# Altium PCB PCB_VHDCI_breakout.PCBDOC (part 2 of 6)
Units mm, origin at the board's own origin, x right, y up, seen from the top; angles counter-clockwise.
Board outline 159.99 x 100 mm, 4 copper layers (TopLayer, Internal Plane 1, Internal Plane 2, BottomLayer), stack 1.622 mm thick; 81 components, 168 nets, 660 pads, 330 vias.
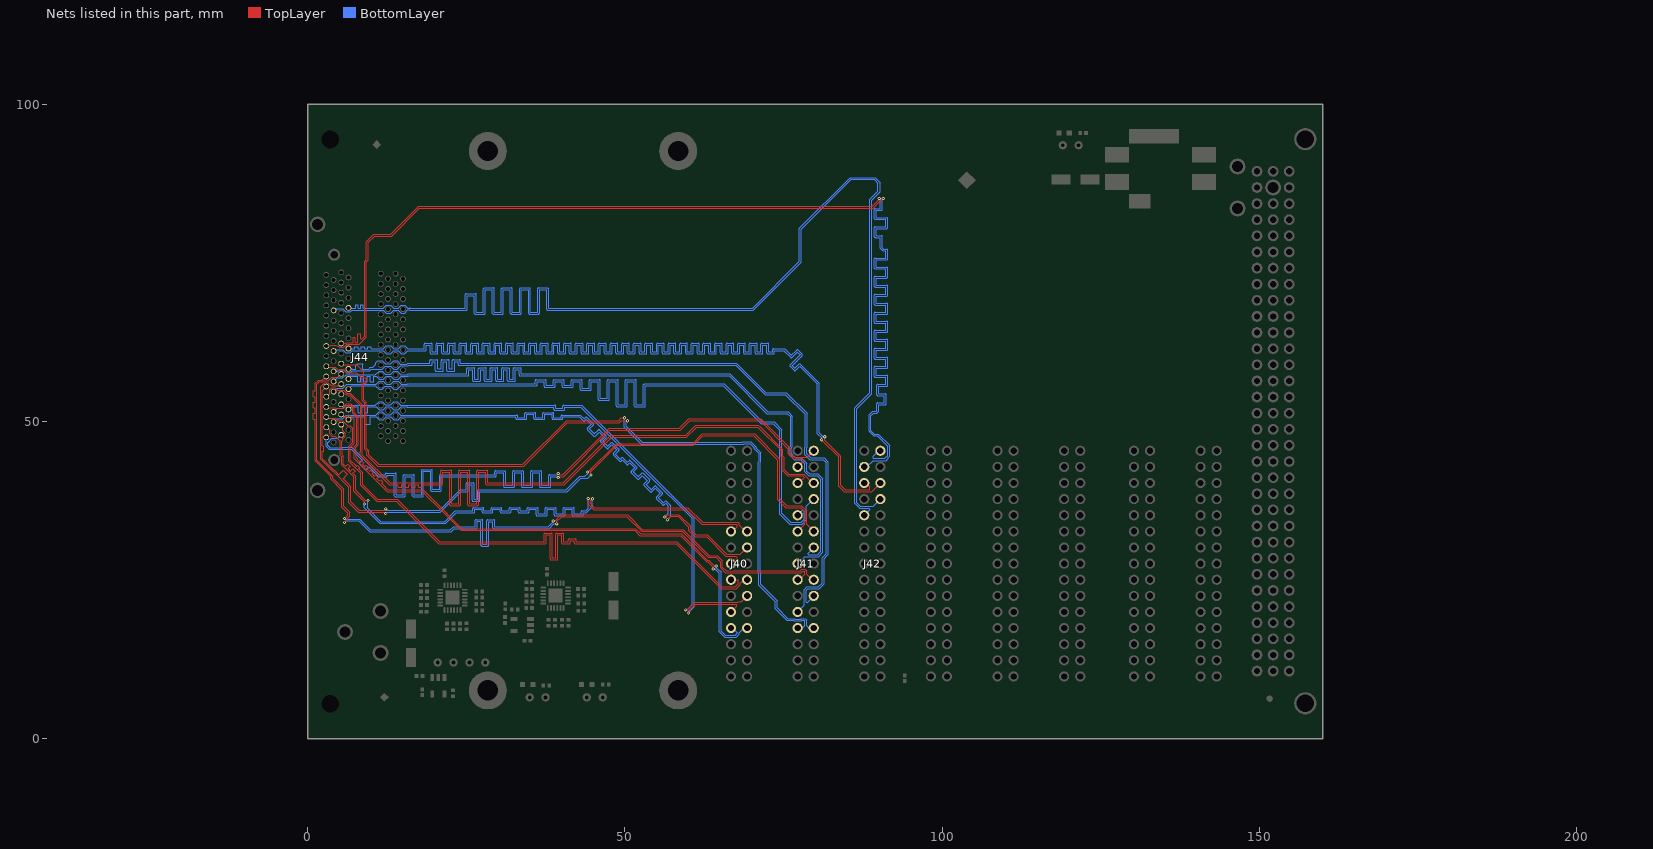
[diagram p4: the nets of this part, all layers, seen from the top]

## Via types
v1: diameter 0.5, hole 0.2, TopLayer to BottomLayer, tented both sides, 278 vias
v2: diameter 0.6, hole 0.3, TopLayer to BottomLayer, tented both sides, 52 vias

## Nets (pads, with @x,y where several pads share a name; then routed paths per layer and width w, separated by ;. In a path a pad name is that pad's centre, name@x,y a point inside that pad or via, vN(x,y) a via of type N, cw(c..) or ccw(c..) an arc to the next point about the centre after c; other vN are vias at no path point) (continued)
LVDS1_4_N: J40.12 J44.L38 | length 90.7
  TopLayer w0.127: J44.L38@2.945,49.071 3.454,48.561 3.454,48.006 3.829,47.63 4.385,47.63 5.144,46.872 5.144,45.645
  TopLayer w0.152: 5.144,45.645 5.144,44.583 5.348,44.379 5.348,43.121 7.245,41.224 7.245,39.001 8.941,37.306 v1(8.941,36.983) ; v1@44.73,37.699 44.705,37.674 44.705,37.624 44.5,37.419 44.5,37.1 45.195,36.405 59.895,36.405 62.234,34.066 67.834,34.066 68,33.9 68,33.764 68.005,33.759 68.005,33.632 68.981,32.656 J40.12@69.255,32.656
  TopLayer w0.254: v1@44.73,37.699 v1@44.853,37.822
  BottomLayer w0.152: v1(8.941,36.983) 8.941,36.359 11.4,33.9 21.731,33.9 23.431,35.6 26.211,35.6 ccw(c26.211,35.752) 26.364,35.752 26.364,36.108 27.481,36.108 27.481,35.752 ccw(c27.634,35.752) 27.634,35.6 29.056,35.6 ccw(c29.056,35.752) 29.208,35.752 29.208,36.108 30.326,36.108 30.326,35.752 ccw(c30.478,35.752) 30.478,35.6 31.901,35.6 ccw(c31.901,35.752) 32.053,35.752 32.053,36.108 33.171,36.108 33.171,35.752 ccw(c33.323,35.752) 33.323,35.6 34.746,35.6 ccw(c34.746,35.752) 34.898,35.752 34.898,36.108 36.016,36.108 36.016,35.244 ccw(c36.168,35.244) 36.168,35.092 37.59,35.092 ccw(c37.59,35.244) 37.743,35.244 37.743,36.108 38.86,36.108 38.86,35.244 ccw(c39.013,35.244) 39.013,35.092 40.435,35.092 ccw(c40.435,35.244) 40.588,35.244 40.588,36.108 41.705,36.108 41.705,35.244 ccw(c41.858,35.244) 41.858,35.092 43.28,35.092 ccw(c43.28,35.244) 43.432,35.244 43.432,35.6 43.931,35.6 44.853,36.522 v1@44.853,37.822
  other v1: 44.9,37.8
LVDS1_4_P: J40.11 J44.L4 | length 91.3
  TopLayer w0.127: J44.L4@5.295,49.471 5.563,49.203 5.563,48.508 5.935,48.136 5.935,47.606 5.563,47.234 5.563,47.037 5.398,46.872 5.398,45.645 5.462,45.582 5.462,44.696
  TopLayer w0.152: 5.462,44.696 5.653,44.505 5.653,43.247 5.8,43.1 5.989,42.911 6.339,43.262 6.716,42.885 6.366,42.534 6.743,42.157 7.094,42.508 7.471,42.131 7.12,41.78 7.4,41.5 7.55,41.35 7.55,39.127 9.177,37.5 v1(9.5,37.5) ; v1@44.26,37.788 44.26,37.61 44.195,37.545 44.195,36.974 44.26,36.909 45.069,36.1 59.769,36.1 62.108,33.761 67.571,33.761 67.7,33.632 67.7,33.368 66.989,32.656 J40.11@66.715,32.656
  TopLayer w0.254: v1@44.26,37.788 v1@44.349,37.699
  BottomLayer w0.152: v1@9.405,37.405 9.5,37.31 9.5,36.463 9.384,36.347 11.526,34.205 21.605,34.205 23.305,35.905 26.059,35.905 26.059,36.26 cw(c26.211,36.26) 26.211,36.413 27.634,36.413 cw(c27.634,36.26) 27.786,36.26 27.786,35.905 28.904,35.905 28.904,36.26 cw(c29.056,36.26) 29.056,36.413 30.478,36.413 cw(c30.478,36.26) 30.631,36.26 30.631,35.905 31.748,35.905 31.748,36.26 cw(c31.901,36.26) 31.901,36.413 33.323,36.413 cw(c33.323,36.26) 33.476,36.26 33.476,35.905 34.593,35.905 34.593,36.26 cw(c34.746,36.26) 34.746,36.413 36.168,36.413 cw(c36.168,36.26) 36.32,36.26 36.32,35.397 37.438,35.397 37.438,36.26 cw(c37.59,36.26) 37.59,36.413 39.013,36.413 cw(c39.013,36.26) 39.165,36.26 39.165,35.397 40.283,35.397 40.283,36.26 cw(c40.435,36.26) 40.435,36.413 41.858,36.413 cw(c41.858,36.26) 42.01,36.26 42.01,35.397 43.128,35.397 43.128,35.752 cw(c43.28,35.752) 43.28,35.905 43.805,35.905 44.226,36.326 v1(44.226,37.822)
LVDS1_5_N: J40.15 J44.L39 | length 92.7
  TopLayer w0.152: v1(56.717,34.471) 57.249,35.004 58.396,35.004 60.095,33.305 60.095,32.774 61.074,31.795 62.874,31.795 65.911,28.758 67.5,28.758 67.669,28.588 67.669,28.531 J40.15@66.715,27.576
  TopLayer w0.254: v1(56.717,34.471) v1@56.717,34.645
  BottomLayer w0.127: J44.L39@4.095,49.871 4.654,50.43 5.56,50.43 6.083,50.954 10.702,50.954 11.26,51.511 11.79,51.511 12.271,51.03 13.128,51.03 13.61,51.511 14.14,51.511 14.686,50.965 15.8,50.965
  BottomLayer w0.152: 15.8,50.991 32.977,50.991 cw(c32.977,50.838) 33.129,50.838 33.129,50.597 34.247,50.597 34.247,51.233 cw(c34.399,51.233) 34.399,51.385 35.822,51.385 cw(c35.822,51.233) 35.974,51.233 35.974,50.597 37.092,50.597 37.092,51.233 cw(c37.244,51.233) 37.244,51.385 38.666,51.385 cw(c38.666,51.233) 38.819,51.233 38.819,50.597 39.936,50.597 39.936,50.838 cw(c40.089,50.838) 40.089,50.991 42.94,50.991 43.555,50.376 43.806,50.628 cw(c43.914,50.52) 44.022,50.628 45.027,49.622 cw(c44.92,49.514) 45.072,49.514 cw(c44.92,49.514) 45.027,49.407 44.417,48.796 45.207,48.006 45.818,48.616 cw(c45.925,48.509) 46.033,48.616 47.039,47.611 cw(c46.931,47.503) 47.084,47.503 cw(c46.931,47.503) 47.039,47.395 46.49,46.846 47.281,46.056 47.829,46.605 cw(c47.937,46.497) 48.045,46.605 49.051,45.599 cw(c48.943,45.491) 49.095,45.491 cw(c48.943,45.491) 49.051,45.383 48.502,44.835 49.292,44.045 49.482,44.234 cw(c49.589,44.126) 49.697,44.234 50.395,43.536 50.647,43.787 cw(c50.754,43.68) 50.863,43.787 51.868,42.782 ; 51.867,42.782 cw(c51.76,42.674) 51.913,42.674 cw(c51.76,42.674) 51.868,42.566 51.319,42.017 52.11,41.227 52.658,41.776 cw(c52.766,41.668) 52.874,41.775 53.879,40.77 ; 53.879,40.77 cw(c53.772,40.662) 53.924,40.662 cw(c53.772,40.662) 53.879,40.554 53.329,40.004 54.119,39.214 54.67,39.764 cw(c54.777,39.656) 54.886,39.764 55.891,38.758 ; 55.891,38.759 cw(c55.783,38.651) 55.936,38.651 cw(c55.783,38.651) 55.891,38.543 55.28,37.932 56.071,37.142 56.322,37.393 cw(c56.43,37.286) 56.538,37.393 ; 56.538,37.393 57.084,36.847 57.249,36.682 57.249,35.004 v1(56.717,34.471)
LVDS1_5_P: J40.14 J44.L5 | length 92.3
  TopLayer w0.152: v1(56.274,34.914) 56.668,35.309 58.523,35.309 60.4,33.431 60.4,32.9 61.2,32.1 63,32.1 66.038,29.062 68.201,29.062 J40.14@69.255,30.116
  TopLayer w0.254: v1(56.274,34.914) v1@56.447,34.914
  BottomLayer w0.127: J44.L5@6.445,50.271 6.874,50.7 7.666,50.7 8.11,50.7 8.999,50.7 8.999,49.544 9.888,49.544 9.888,50.7 10.2,50.7 10.79,50.7 11.26,50.23 11.929,50.23 12.41,50.711 13.129,50.711 13.61,50.23 14.279,50.23 14.76,50.711 15.8,50.711
  BottomLayer w0.152: 15.8,50.686 32.824,50.686 32.824,50.444 ccw(c32.977,50.444) 32.977,50.292 34.399,50.292 ccw(c34.399,50.444) 34.552,50.444 34.552,51.08 35.669,51.08 35.669,50.444 ccw(c35.822,50.444) 35.822,50.292 37.244,50.292 ccw(c37.244,50.444) 37.396,50.444 37.396,51.08 38.514,51.08 38.514,50.444 ccw(c38.666,50.444) 38.666,50.292 40.089,50.292 ccw(c40.089,50.444) 40.241,50.444 40.241,50.686 42.814,50.686 43.447,50.053 ccw(c43.555,50.161) 43.662,50.053 43.914,50.305 44.704,49.514 44.093,48.904 ccw(c44.201,48.796) 44.093,48.688 45.099,47.682 ccw(c45.207,47.79) 45.315,47.682 45.925,48.293 46.716,47.503 46.167,46.954 ccw(c46.275,46.846) 46.167,46.739 47.173,45.733 ccw(c47.281,45.841) 47.388,45.733 47.937,46.281 48.727,45.491 48.179,44.943 ccw(c48.286,44.835) 48.179,44.727 49.184,43.721 ccw(c49.292,43.829) 49.4,43.721 49.589,43.911 50.287,43.213 ccw(c50.395,43.32) 50.503,43.213 50.754,43.464 51.545,42.674 50.996,42.125 ; 50.996,42.126 ccw(c51.104,42.017) 50.996,41.91 52.002,40.904 ccw(c52.11,41.012) 52.217,40.904 52.766,41.453 53.556,40.662 53.006,40.112 ccw(c53.113,40.004) 53.006,39.896 54.011,38.89 ; 54.011,38.891 ccw(c54.119,38.998) 54.227,38.89 54.777,39.441 55.568,38.651 54.957,38.04 ccw(c55.065,37.932) 54.958,37.824 ; 54.957,37.824 55.963,36.819 ccw(c56.071,36.926) 56.178,36.819 56.43,37.07 56.868,36.632 56.868,35.509 v1(56.274,34.914)
LVDS1_6_N: J40.18 J44.L40 | length 94.5
  TopLayer w0.127: J44.L40@2.945,50.671 3.104,50.511 4.36,50.511 4.76,50.111 5.56,50.111 6.36,49.311 6.71,49.311 7.087,48.934 7.087,46.661 6.478,46.052 6.478,45.671 6.452,45.645
  TopLayer w0.152: 6.452,45.645 6.452,44.774 6.452,43.724 8.38,41.796 8.38,39.889 10.874,37.395 14.005,37.395 20.705,30.695 30.208,30.695 37.457,30.695 ccw(c37.457,30.848) 37.61,30.848 37.61,32.089 38.219,32.089 38.219,28.308 ccw(c38.372,28.308) 38.372,28.155 39.286,28.155 ccw(c39.286,28.308) 39.438,28.308 39.438,32.089 40.048,32.089 40.048,30.848 ccw(c40.2,30.848) 40.2,30.695 41.257,30.695 ccw(c41.257,30.848) 41.41,30.848 41.41,31.174 42.019,31.174 42.019,30.848 ccw(c42.172,30.848) 42.172,30.695 51.352,30.695 58.074,30.695 62.274,26.495 65.174,23.595 67.526,23.595 68.2,24.269 68.2,24.495 68.741,25.036 J40.18@69.255,25.036
LVDS1_6_P: J40.17 J44.L6 | length 111.8
  TopLayer w0.127: J44.L6@5.295,51.071 5.717,50.649 5.917,50.649 6.179,50.911 6.71,50.911 7.341,50.28 7.341,46.556 6.732,45.946 6.732,45.671 6.757,45.645
  TopLayer w0.152: 6.757,45.645 6.757,44.774 6.757,43.85 6.946,43.661 7.323,43.284 7.7,42.907 7.836,43.043 8.213,42.666 8.077,42.53 8.454,42.153 8.685,41.922 8.685,41.656 8.685,41.5 8.685,40.015 10.1,38.6 11,37.7 14.131,37.7 20.831,31 ; 30.208,31 20.831,31 ; 51.352,31 42.324,31 ; J40.17@66.715,25.036 67.764,25.036 67.895,24.905 67.895,24.395 67.4,23.9 65.3,23.9 62.495,26.705 62.485,26.705 58.189,31 42.324,31 ; 20.831,31 37.305,31 37.305,32.241 cw(c37.457,32.241) 37.457,32.394 38.372,32.394 cw(c38.372,32.241) 38.524,32.241 38.524,28.46 39.134,28.46 39.134,32.241 cw(c39.286,32.241) 39.286,32.394 40.2,32.394 cw(c40.2,32.241) 40.353,32.241 40.353,31 41.105,31 41.105,31.327 cw(c41.257,31.327) 41.257,31.479 42.172,31.479 cw(c42.172,31.327) 42.324,31.327 42.324,31
LVDS1_7_N: J40.21 J44.L41 | length 93
  TopLayer w0.152: v1@59.968,20.015 61.141,21.188 67.648,21.188 67.648,20.889 J40.21@66.715,19.956
  BottomLayer w0.127: J44.L41@4.095,51.471 4.654,52.03 5.56,52.03 6.058,52.529 10.677,52.529 11.26,53.111 11.79,53.111 12.271,52.63 13.128,52.63 13.61,53.111 14.14,53.111 14.686,52.565 15.395,52.565 15.432,52.529 15.7,52.529 15.725,52.554
  BottomLayer w0.152: 15.725,52.554 38.966,52.554 cw(c38.966,52.402) 39.119,52.402 39.119,52.046 40.236,52.046 40.236,52.402 cw(c40.389,52.402) 40.389,52.554 43.177,52.554 55.178,40.553 56.399,39.332 58.195,37.536 59.631,36.1 60.905,34.826 60.905,20.951 ; 60.905,20.951 60.905,20.777 59.968,19.841 59.968,20.015 60.905,20.951
  other v1: 60,19.8
LVDS1_7_P: J40.20 J44.L7 | length 92.7
  TopLayer w0.152: 59.816,20.319 59.842,20.319 61.015,21.493 67.793,21.493 67.863,21.563 68.322,21.563 J40.20@69.255,22.496
  TopLayer w0.254: v1(59.525,20.284) 59.699,20.284 59.775,20.36
  BottomLayer w0.127: J44.L7@6.445,51.871 6.848,52.275 7.2,52.275 7.454,52.275 7.962,52.275 7.962,51.335 8.47,51.335 8.47,52.275 8.978,52.275 8.978,51.335 9.486,51.335 9.486,52.275 9.994,52.275 10.2,52.275 10.815,52.275 11.26,51.83 11.929,51.83 12.41,52.311 13.129,52.311 13.61,51.83 14.279,51.83 14.76,52.311 15.29,52.311 15.327,52.275 15.7,52.275 15.725,52.249
  BottomLayer w0.152: 15.725,52.249 38.814,52.249 38.814,51.894 ccw(c38.966,51.894) 38.966,51.741 40.389,51.741 ccw(c40.389,51.894) 40.541,51.894 40.541,52.249 43.051,52.249 54.873,40.427 59.416,35.884 60.6,34.7 60.6,21.078 59.806,20.284 v1(59.525,20.284)
LVDS1_8_N: J40.24 J44.L42 | length 93.1
  TopLayer w0.127: J44.L42@2.945,52.271 3.104,52.111 4.36,52.111 4.441,52.03 5.698,52.03 6.179,52.511 6.71,52.511 7.085,52.136 7.085,51.28 7.748,50.618 7.748,46.391 7.367,46.01 7.367,45.62 7.341,45.594
  TopLayer w0.152: 7.341,45.594 7.341,44.113 12.559,38.895 18.105,38.895 19.092,37.908 19.092,37.865 19.565,37.392 19.608,37.392 24.2,32.8 37.289,32.8 37.308,32.8 37.421,32.801 37.426,32.805 37.43,32.801 37.435,32.801 37.441,32.807 37.447,32.801 37.457,32.811 37.457,32.808 37.465,32.801 37.537,32.801 38.291,32.8 38.364,32.801 38.372,32.808 38.372,32.811 38.381,32.801 38.388,32.807 38.394,32.801 38.399,32.801 38.403,32.805 38.407,32.801 38.52,32.801 38.54,32.8 39.118,32.8 39.137,32.8 39.25,32.801 39.254,32.805 39.258,32.801 39.263,32.801 39.27,32.807 39.276,32.801 39.286,32.811 39.286,32.808 39.293,32.801 39.366,32.801 40.12,32.8 40.193,32.801 40.2,32.808 40.2,32.811 40.21,32.801 40.216,32.807 40.223,32.801 40.228,32.801 40.232,32.805 40.236,32.801 40.349,32.801 40.369,32.8 51.53,32.8 52.368,31.962 57.184,31.962 58.789,31.962 60.226,30.524 62.889,27.862 63.038,27.862 63.927,26.973 v1(63.927,26.727)
  BottomLayer w0.152: v1(63.927,26.727) 64.173,26.727 64.759,26.141 64.885,26.141 64.885,16.815 65.705,15.995 67.526,15.995 68.005,16.474 68.005,16.7 68.721,17.416 J40.24@69.255,17.416
LVDS1_8_P: J40.23 J44.L8 | length 92.5
  TopLayer w0.127: J44.L8@5.295,52.671 5.454,52.511 5.82,52.511 6.074,52.765 6.815,52.765 7.339,52.241 7.339,51.386 8.002,50.723 8.002,46.286 7.621,45.905 7.621,45.62 7.646,45.594
  TopLayer w0.152: 7.646,45.594 7.646,44.239 8.085,43.8 8.273,43.611 8.478,43.816 8.855,43.439 8.651,43.234 9.028,42.857 9.232,43.062 9.61,42.685 9.405,42.48 9.782,42.103 9.987,42.307 10.364,41.93 10.159,41.726 10.536,41.348 10.741,41.553 11.118,41.176 10.914,40.971 11.291,40.594 11.495,40.799 11.873,40.422 11.668,40.217 12.045,39.84 12.422,39.463 12.685,39.2 12.7,39.2 18.231,39.2 19.397,38.034 19.397,37.992 19.692,37.697 19.734,37.697 24.326,33.105 51.62,33.105 52.484,32.241 57.068,32.241 58.904,32.241 60.342,30.804 63.004,28.141 63.19,28.141 64.143,27.188 v1(64.388,27.188)
  BottomLayer w0.152: v1(64.388,27.188) 64.388,26.943 64.885,26.446 65.011,26.446 65.19,26.267 65.19,16.941 65.831,16.3 67.4,16.3 67.7,16.6 67.7,16.7 66.984,17.416 J40.23@66.715,17.416
LVDS2_1_N: J41.3 J44.L36 | length 120.3
  TopLayer w0.152: v1(39.5,41.121) 39.674,41.295 40.326,41.295 47.626,48.595 58.695,48.595 60.195,50.095 71.305,50.095 75.771,45.629 75.771,44.874 76.649,43.995 78.065,43.995 78.23,43.831 J41.3@77.215,42.816
  BottomLayer w0.127: J44.L36@2.945,47.471 2.945,46.099 3.449,45.594 5.741,45.594
  BottomLayer w0.152: 5.741,45.594 6.875,45.594 7.1,45.369 7.603,44.866 8.609,43.86 8.156,43.407 9.162,42.402 9.614,42.854 9.984,42.484 11.174,41.295 12.411,41.295 ccw(c12.411,41.448) 12.564,41.448 12.564,41.524 13.681,41.524 13.681,38.278 ccw(c13.834,38.278) 13.834,38.126 15.256,38.126 ccw(c15.256,38.278) 15.408,38.278 15.408,41.295 16.526,41.295 16.526,38.278 ccw(c16.678,38.278) 16.678,38.126 18.101,38.126 ccw(c18.101,38.278) 18.253,38.278 18.253,42.097 19.371,42.097 19.371,39.143 ccw(c19.523,39.143) 19.523,38.99 20.946,38.99 ccw(c20.946,39.143) 21.098,39.143 21.098,41.295 29.611,41.295 ccw(c29.611,41.448) 29.764,41.448 29.764,41.876 30.881,41.876 30.881,39.752 ccw(c31.034,39.752) 31.034,39.6 32.456,39.6 ccw(c32.456,39.752) 32.608,39.752 32.608,41.876 33.726,41.876 33.726,39.752 ccw(c33.878,39.752) 33.878,39.6 35.301,39.6 ccw(c35.301,39.752) 35.453,39.752 35.453,41.876 36.571,41.876 36.571,39.752 ccw(c36.723,39.752) 36.723,39.6 38.146,39.6 ccw(c38.146,39.752) 38.298,39.752 38.298,41.295 39.326,41.295 v1(39.5,41.121)
LVDS2_1_P: J41.2 J44.L2 | length 120.9
  TopLayer w0.152: v1(39.5,41.774) 39.674,41.6 40.2,41.6 47.5,48.9 58.569,48.9 60.069,50.4 71.431,50.4 76.076,45.755 76.076,45 76.776,44.3 78.699,44.3 J41.2@79.755,45.356
  BottomLayer w0.127: J44.L2@5.295,47.871 4.735,47.311 3.829,47.311 3.23,46.712 3.199,46.712 3.199,46.204 3.554,45.848 5.512,45.848 5.576,45.912 5.867,45.912
  BottomLayer w0.152: 5.867,45.912 6.988,45.912 11.3,41.6 12.259,41.6 12.259,41.676 cw(c12.411,41.676) 12.411,41.829 13.834,41.829 cw(c13.834,41.676) 13.986,41.676 13.986,38.431 15.104,38.431 15.104,41.448 cw(c15.256,41.448) 15.256,41.6 16.678,41.6 cw(c16.678,41.448) 16.831,41.448 16.831,38.431 17.948,38.431 17.948,42.249 cw(c18.101,42.249) 18.101,42.402 19.523,42.402 cw(c19.523,42.249) 19.676,42.249 19.676,39.295 20.793,39.295 20.793,41.448 cw(c20.946,41.448) 20.946,41.6 29.459,41.6 29.459,42.028 cw(c29.611,42.028) 29.611,42.181 31.034,42.181 cw(c31.034,42.028) 31.186,42.028 31.186,39.905 32.304,39.905 32.304,42.028 cw(c32.456,42.028) 32.456,42.181 33.878,42.181 cw(c33.878,42.028) 34.031,42.028 34.031,39.905 35.148,39.905 35.148,42.028 cw(c35.301,42.028) 35.301,42.181 36.723,42.181 cw(c36.723,42.028) 36.876,42.028 36.876,39.905 37.993,39.905 37.993,41.448 cw(c38.146,41.448) 38.146,41.6 39.326,41.6 v1(39.5,41.774)
LVDS2_2_N: J41.6 J44.L44 | length 122.5
  TopLayer w0.127: J44.L44@2.945,53.871 3.454,54.38 3.454,54.936 3.829,55.311 4.36,55.311 4.76,54.911 5.698,54.911 6.179,54.43 6.75,54.43 8.611,52.57 8.611,45.2 8.637,45.175
  TopLayer w0.152: 8.637,45.175 8.637,44.663 13,40.3 18.6,40.3 20.959,40.3 20.959,42.146 cw(c21.111,42.146) 21.111,42.298 22.534,42.298 cw(c22.534,42.146) 22.686,42.146 22.686,37.034 23.804,37.034 23.804,42.146 cw(c23.956,42.146) 23.956,42.298 25.378,42.298 cw(c25.378,42.146) 25.531,42.146 25.531,37.034 26.648,37.034 26.648,42.146 cw(c26.801,42.146) 26.801,42.298 28.223,42.298 cw(c28.223,42.146) 28.376,42.146 28.376,40.3 40.3,40.3 40.611,40.611 47.8,47.8 59.569,47.8 60.974,49.205 61.174,49.405 71.026,49.405 71.226,49.205 74.905,45.526 74.905,44.532 75.116,44.321 75.116,42.389 75.819,41.686 78.145,41.686 79.555,40.276 J41.6@79.755,40.276
LVDS2_2_P: J41.5 J44.L10 | length 121.6
  TopLayer w0.127: J44.L10@5.295,54.271 5.356,54.332 5.919,54.332 6.074,54.176 6.645,54.176 8.357,52.464 8.357,45.3 8.332,45.275
  TopLayer w0.152: 8.332,45.275 8.332,44.537 12.474,40.395 12.874,39.995 13.5,39.995 13.767,39.995 14.3,39.995 14.3,39.606 14.834,39.606 14.834,39.995 15.367,39.995 15.367,39.606 15.9,39.606 15.9,39.995 16.434,39.995 16.434,39.606 16.967,39.606 16.967,39.995 17.501,39.995 17.501,39.606 18.034,39.606 18.034,39.995 18.567,39.995 18.6,39.995 21.111,39.995 ccw(c21.111,40.148) 21.264,40.148 21.264,41.994 22.381,41.994 22.381,36.881 ccw(c22.534,36.881) 22.534,36.729 23.956,36.729 ccw(c23.956,36.881) 24.108,36.881 24.108,41.994 25.226,41.994 25.226,36.881 ccw(c25.378,36.881) 25.378,36.729 26.801,36.729 ccw(c26.801,36.881) 26.953,36.881 26.953,41.994 28.071,41.994 28.071,40.148 ccw(c28.223,40.148) 28.223,39.995 40.426,39.995 40.826,40.395 47.926,47.495 59.695,47.495 61.3,49.1 70.9,49.1 74.6,45.4 74.6,44.406 74.811,44.195 74.811,42.263 75.693,41.381 78.019,41.381 78.3,41.1 77.476,40.276 J41.5@77.215,40.276
LVDS2_3_N: J41.9 J44.L45 | length 122.4
  BottomLayer w0.127: J44.L45@4.095,54.671 4.654,55.23 5.56,55.23 6.186,55.856 10.804,55.856 11.26,56.311 11.928,56.311 12.41,55.83 13.128,55.83 13.61,56.311 14.278,56.311 14.76,55.83 15.29,55.83 15.316,55.856 15.7,55.856 15.725,55.881
  BottomLayer w0.152: 15.725,55.881 35.859,55.881 35.859,56.409 cw(c36.011,56.409) 36.011,56.562 37.434,56.562 cw(c37.434,56.409) 37.586,56.409 37.586,55.653 38.704,55.653 38.704,56.409 cw(c38.856,56.409) 38.856,56.562 40.278,56.562 cw(c40.278,56.409) 40.431,56.409 40.431,55.653 41.548,55.653 41.548,56.409 cw(c41.701,56.409) 41.701,56.562 43.123,56.562 cw(c43.123,56.409) 43.276,56.409 43.276,55.199 44.393,55.199 44.393,56.409 cw(c44.546,56.409) 44.546,56.562 45.968,56.562 cw(c45.968,56.409) 46.12,56.409 46.12,53.607 47.238,53.607 47.238,56.409 cw(c47.39,56.409) 47.39,56.562 48.813,56.562 cw(c48.813,56.409) 48.965,56.409 48.965,52.608 50.083,52.608 50.083,56.409 cw(c50.235,56.409) 50.235,56.562 51.658,56.562 cw(c51.658,56.409) 51.81,56.409 51.81,52.608 52.928,52.608 52.928,55.729 cw(c53.08,55.729) 53.08,55.881 65.65,55.881 71.631,49.9 73.531,49.9 74.726,48.705 74.726,35.474 76.1,34.1 77.8,34.1 78.3,34.6 78.3,35.795 78.057,36.038 J41.9@77.215,35.196
LVDS2_3_P: J41.8 J44.L11 | length 121.3
  BottomLayer w0.127: J44.L11@6.445,55.071 6.976,55.602 10.688,55.602 11.26,55.03 11.79,55.03 12.271,55.511 13.129,55.511 13.61,55.03 14.14,55.03 14.686,55.576 15.395,55.576 15.421,55.602 15.7,55.602 15.725,55.577
  BottomLayer w0.152: 15.725,55.577 36.011,55.577 ccw(c36.011,55.729) 36.164,55.729 36.164,56.257 37.281,56.257 37.281,55.5 ccw(c37.434,55.5) 37.434,55.348 38.856,55.348 ccw(c38.856,55.5) 39.008,55.5 39.008,56.257 40.126,56.257 40.126,55.5 ccw(c40.278,55.5) 40.278,55.348 41.701,55.348 ccw(c41.701,55.5) 41.853,55.5 41.853,56.257 42.971,56.257 42.971,55.047 ccw(c43.123,55.047) 43.123,54.894 44.546,54.894 ccw(c44.546,55.047) 44.698,55.047 44.698,56.257 45.816,56.257 45.816,53.455 ccw(c45.968,53.455) 45.968,53.302 47.39,53.302 ccw(c47.39,53.455) 47.543,53.455 47.543,56.257 48.66,56.257 48.66,52.455 ccw(c48.813,52.455) 48.813,52.303 50.235,52.303 ccw(c50.235,52.455) 50.388,52.455 50.388,56.257 51.505,56.257 51.505,52.455 ccw(c51.658,52.455) 51.658,52.303 53.08,52.303 ccw(c53.08,52.455) 53.232,52.455 53.232,55.577 65.523,55.577 71.416,49.684 71.505,49.595 73.405,49.595 74.421,48.579 74.421,35.348 75.974,33.795 77.926,33.795 78.605,34.474 78.605,36.586 J41.8@79.755,37.736
LVDS2_4_N: J41.12 J44.L46 | length 120
  TopLayer w0.127: J44.L46@2.945,55.471 2.312,54.838 2.312,54.144 2.304,54.136 2.304,53.606 2.312,53.598 2.312,53.519 2.304,53.511 2.304,46.6 2.304,46.156 2.573,46.156 2.573,45.267 2.304,45.267 2.304,45 2.304,44.129 4.073,42.36 4.138,42.36 4.266,42.232 4.284,42.232 4.325,42.191
  TopLayer w0.152: 4.325,42.191 4.616,41.9 4.939,41.577 5.628,42.266 6.275,41.62 5.585,40.93 6.208,40.308 6.805,39.711 6.805,37.295 8.1,36 12.178,36 v1@12.294,36.116 ; v1(44.1,42) 44.2,42 45.6,43.4 ; v1@44.211,41.973 44.211,42.011 48.7,46.5 60.669,46.5 62.174,48.005 70.426,48.005 74.405,44.026 74.405,37.8 75.505,36.7 77.826,36.7 78.65,35.876 78.65,34.602 78.637,34.589 78.637,33.774 J41.12@79.755,32.656
  TopLayer w0.254: v1@44.211,41.973 v1@44.272,42.034
  BottomLayer w0.152: v1@12.344,36.116 12.505,35.955 20.8,35.955 24.039,39.194 25.005,39.194 25.005,40.172 cw(c25.157,40.172) 25.157,40.325 26.072,40.325 cw(c26.072,40.172) 26.224,40.172 26.224,37.688 26.834,37.688 26.834,39.041 cw(c26.986,39.041) 26.986,39.194 40.794,39.194 42.905,41.305 43.7,41.305 44.211,41.816 v1@44.211,41.973
  other v1: 12.3,36.2
LVDS2_4_P: J41.11 J44.L12 | length 119.1
  TopLayer w0.127: 3.981,42.093 2.05,44.024 2.05,55.482 2.679,56.111 3.21,56.111 3.691,55.63 5.054,55.63 J44.L12@5.295,55.871
  TopLayer w0.152: 3.981,42.093 4.027,42.093 6.5,39.62 6.5,37.169 7.974,35.695 12.088,35.695 v1@12.26,35.523 ; v1(44.655,41.53) 44.655,42.024 48.826,46.195 60.795,46.195 62.3,47.7 70.3,47.7 74.1,43.9 74.1,37.674 75.379,36.395 77.7,36.395 78.345,35.75 78.345,34.728 78.332,34.715 78.332,33.774 J41.11@77.215,32.656
  BottomLayer w0.152: v1(12.294,35.489) 12.455,35.65 20.926,35.65 24.165,38.889 25.157,38.889 ccw(c25.157,39.041) 25.31,39.041 25.31,40.02 25.919,40.02 25.919,37.536 ccw(c26.072,37.536) 26.072,37.383 26.986,37.383 ccw(c26.986,37.536) 27.138,37.536 27.138,38.889 40.92,38.889 43.031,41 44.125,41 v1(44.655,41.53)
LVDS2_5_N: J41.15 J44.L47 | length 121.8
  BottomLayer w0.127: J44.L47@4.095,56.271 4.654,56.83 5.56,56.83 6.059,57.329 10.677,57.329 11.26,57.911 11.79,57.911 12.271,57.43 13.128,57.43 13.61,57.911 14.14,57.911 14.686,57.365 15.395,57.365 15.432,57.329 15.745,57.329 15.885,57.469 16.388,57.469 16.394,57.463
  BottomLayer w0.152: 16.394,57.463 18.4,57.463 ; 18.4,57.469 25.098,57.469 25.098,58.25 cw(c25.257,58.25) 25.257,58.409 26.172,58.409 cw(c26.172,58.25) 26.33,58.25 26.33,56.605 26.927,56.605 26.927,58.25 cw(c27.086,58.25) 27.086,58.409 28,58.409 cw(c28,58.25) 28.159,58.25 28.159,56.605 28.756,56.605 28.756,58.25 cw(c28.915,58.25) 28.915,58.409 29.829,58.409 cw(c29.829,58.25) 29.988,58.25 29.988,56.605 30.585,56.605 30.585,58.25 cw(c30.744,58.25) 30.744,58.409 31.658,58.409 cw(c31.658,58.25) 31.817,58.25 31.817,56.605 32.414,56.605 32.414,58.25 cw(c32.572,58.25) 32.572,58.409 33.487,58.409 cw(c33.487,58.25) 33.646,58.25 33.646,57.469 66.518,57.469 72.478,51.509 75.722,51.509 76.405,50.826 76.405,45.965 76.212,45.772 76.212,44.94 76.405,44.747 76.405,44.671 76.825,44.251 77.809,44.251 78.65,43.41 78.65,42.15 79.1,41.7 79.149,41.7 79.16,41.711 80.42,41.711 81.016,41.116 81.19,40.941 81.19,29.359 81.016,29.184 80.526,28.695 78.334,28.695 J41.15@77.215,27.576
LVDS2_5_P: J41.14 J44.L13 | length 122.4
  BottomLayer w0.127: J44.L13@6.445,56.671 6.849,57.075 7.1,57.075 7.354,57.075 7.862,57.075 7.862,56.237 8.37,56.237 8.37,57.075 8.878,57.075 8.878,56.237 9.386,56.237 9.386,57.075 9.894,57.075 9.894,56.237 10.402,56.237 10.402,57.075 10.815,57.075 11.26,56.63 11.929,56.63 12.41,57.111 13.129,57.111 13.61,56.63 14.279,56.63 14.76,57.111 15.29,57.111 15.326,57.075 15.85,57.075 15.926,57.151 16.388,57.151 16.394,57.158
  BottomLayer w0.152: 16.394,57.158 18.4,57.158 ; 18.4,57.151 25.257,57.151 ccw(c25.257,57.31) 25.416,57.31 25.416,58.091 26.013,58.091 26.013,56.446 ccw(c26.172,56.446) 26.172,56.288 27.086,56.288 ccw(c27.086,56.446) 27.245,56.446 27.245,58.091 27.842,58.091 27.842,56.446 ccw(c28,56.446) 28,56.288 28.915,56.288 ccw(c28.915,56.446) 29.074,56.446 29.074,58.091 29.67,58.091 29.67,56.446 ccw(c29.829,56.446) 29.829,56.288 30.744,56.288 ccw(c30.744,56.446) 30.902,56.446 30.902,58.091 31.499,58.091 31.499,56.446 ccw(c31.658,56.446) 31.658,56.288 32.572,56.288 ccw(c32.572,56.446) 32.731,56.446 32.731,58.091 33.328,58.091 33.328,57.31 ccw(c33.487,57.31) 33.487,57.151 66.404,57.151 72.352,51.204 75.596,51.204 76.1,50.7 76.1,46.091 75.907,45.898 75.907,44.814 76.1,44.621 76.1,44.545 76.698,43.946 77.683,43.946 78.345,43.284 78.345,42.024 78.974,41.395 79.276,41.395 79.287,41.406 80.294,41.406 80.885,40.815 80.885,29.485 80.4,29 78.9,29 78.8,29.1 78.8,29.161 J41.14@79.755,30.116
LVDS2_6_N: J41.18 J44.L48 | length 118.4
  TopLayer w0.127: J44.L48@2.945,57.071 2.493,56.619 2.469,56.619 2.315,56.466 1.724,56.466 1.22,55.961 1.22,55.4 1.22,54.789 0.927,54.789 0.927,53.9 1.22,53.9 1.22,53.011 0.927,53.011 0.927,52.122 1.22,52.122 1.22,51.233 0.927,51.233 0.927,50.344 1.22,50.344 1.22,49.9 1.22,43.787 3.655,41.353 3.655,40.914
  TopLayer w0.152: 3.655,40.914 5.4,39.169 5.4,36.469 6.363,35.506 6.363,35.163 5.9,34.7 v1(5.8,34.7) ; v1(38.7,34.3) 38.988,34.3 38.988,34.36 39.896,35.268 50.427,35.268 52.768,32.927 59.189,32.927 63.289,28.827 64.516,28.827 65.163,28.179 65.216,28.179 65.379,28.016 65.379,27.016 65.949,26.446 77.683,26.446 77.9,26.663 78.377,26.663 78.624,26.416 78.624,26.21 78.65,26.184 78.65,25.913 78.637,25.9 79.501,25.036 J41.18@79.755,25.036
  BottomLayer w0.152: v1(5.8,34.7) 5.91,34.59 8.21,34.59 9.9,32.9 22.5,32.9 23,33.4 26.405,33.4 26.405,34.373 cw(c26.557,34.373) 26.557,34.526 27.472,34.526 cw(c27.472,34.373) 27.624,34.373 27.624,30.63 28.234,30.63 28.234,34.355 cw(c28.386,34.355) 28.386,34.507 29.3,34.507 cw(c29.3,34.355) 29.453,34.355 29.453,33.4 37.944,33.4 v1@38.772,34.228
LVDS2_6_P: J41.17 J44.L14 | length 119.3
  TopLayer w0.127: 3.972,41.028 3.972,41.264 3.909,41.327 3.909,41.458 3.834,41.532 1.474,43.893 1.474,55.856 1.829,56.212 2.42,56.212 2.574,56.365 3.283,56.365 3.829,56.911 4.735,56.911 J44.L14@5.295,57.471
  TopLayer w0.152: 3.972,41.028 5.705,39.295 5.705,36.595 6.643,35.657 6.643,35.048 6.298,34.702 6.298,34.557 5.814,34.073 v1(5.8,34.073) ; v1(39.267,33.836) 39.267,34.244 40.012,34.988 50.312,34.988 52.652,32.648 59.073,32.648 63.173,28.548 64.4,28.548 65.048,27.9 65.1,27.9 65.1,26.9 65.834,26.166 77.799,26.166 78.016,26.384 78.261,26.384 78.345,26.3 78.345,26.039 78.332,26.026 78.332,25.9 77.469,25.036 J41.17@77.215,25.036
  BottomLayer w0.152: v1(5.8,34.073) 5.814,34.073 6.051,34.31 8.059,34.31 9.774,32.595 22.626,32.595 23.126,33.095 26.557,33.095 ccw(c26.557,33.248) 26.71,33.248 26.71,34.221 27.319,34.221 27.319,30.478 ccw(c27.472,30.478) 27.472,30.325 28.386,30.325 ccw(c28.386,30.478) 28.538,30.478 28.538,34.202 29.148,34.202 29.148,33.248 ccw(c29.3,33.248) 29.3,33.095 38.071,33.095 38.811,33.836 v1(39.267,33.836)
LVDS2_7_N: J41.21 J44.L49 | length 122.7
  BottomLayer w0.127: J44.L49@4.095,57.871 4.789,57.871 5.029,58.111 5.698,58.111 6.179,57.63 6.71,57.63 7.056,57.976 9.776,57.976 10.03,58.23 11.79,58.23 12.271,58.711 13.129,58.711 13.61,58.23 14.14,58.23 14.672,58.762 15.86,58.762 15.9,58.802 19.445,58.802 ccw(c19.445,58.993) 19.635,58.993 19.635,59.349 20.143,59.349 20.143,58.053 ccw(c20.334,58.053) 20.334,57.863 21.223,57.863 ccw(c21.223,58.053) 21.413,58.053 21.413,59.349 21.921,59.349 21.921,58.053 ccw(c22.112,58.053) 22.112,57.863 23.001,57.863 ccw(c23.001,58.053) 23.191,58.053 23.191,59.349 23.699,59.349 23.699,58.993 ccw(c23.89,58.993) 23.89,58.802 67.5,58.802 72.102,54.2
  BottomLayer w0.152: 72.102,54.2 75.3,54.2 78.395,51.105 78.395,46.026 78.32,45.95 78.32,44.762 79.16,43.921 81.279,43.921 81.7,43.5 81.7,29.094 81.1,28.494 81.1,24.5 80.5,23.9 78.669,23.9 78.384,23.616 78.295,23.526 78.295,21.036 J41.21@77.215,19.956 J41.21@77.215,20.646
LVDS2_7_P: J41.20 J44.L15 | length 121.5
  BottomLayer w0.127: J44.L15@6.445,58.271 6.991,58.271 7.032,58.23 7.6,58.23 7.6,58.811 7.889,59.1 8.6,59.1 8.7,59 8.7,58.23 9.63,58.23 9.9,58.5 10.257,58.5 10.757,59 10.757,59.189 11.08,59.511 11.79,59.511 12.271,59.03 13.128,59.03 13.61,59.511 14.14,59.511 14.635,59.016 15.635,59.016 15.802,59.183 19.254,59.183 19.254,59.539 cw(c19.445,59.539) 19.445,59.73 20.334,59.73 cw(c20.334,59.539) 20.524,59.539 20.524,58.244 21.032,58.244 21.032,59.539 cw(c21.223,59.539) 21.223,59.73 22.112,59.73 cw(c22.112,59.539) 22.302,59.539 22.302,58.244 22.81,58.244 22.81,59.539 cw(c23.001,59.539) 23.001,59.73 23.89,59.73 cw(c23.89,59.539) 24.08,59.539 24.08,59.183 67.5,59.183
  BottomLayer w0.152: 67.5,59.183 67.532,59.183 72.211,54.505 75.426,54.505 78.7,51.231 78.7,45.899 78.625,45.824 78.625,44.888 79.287,44.226 81.405,44.226 81.916,43.716 82.005,43.626 82.005,28.968 81.916,28.879 81.405,28.368 81.405,24.374 80.626,23.595 78.795,23.595 78.6,23.4 78.6,21.5 78.637,21.5 78.737,21.4 79.755,22.417 J41.20@79.755,22.496
LVDS2_8_N: J41.24 J44.L50 | length 121
  TopLayer w0.127: J44.L50@2.945,58.671 3.104,58.511 4.36,58.511 4.76,58.111 5.698,58.111 6.179,57.63 7.656,57.63 8.586,56.701 8.586,53.265 9.018,52.833 9.018,45.616 9.371,45.262 9.346,45.237
  TopLayer w0.152: 9.346,45.237 9.346,44.623 11.074,42.895 34.026,42.895 40.931,49.8 49.131,49.8 49.431,50.1 49.723,50.1 49.74,50.083 50.383,50.083 v1(50.4,50.1)
  BottomLayer w0.152: v1(50.4,50.1) 50.229,49.929 50.229,49.2 52.729,46.7 68.569,46.7 68.66,46.791 69.849,46.791 70.69,45.95 70.69,45.776 71.35,45.116 71.439,45.026 71.439,43.508 71.35,43.419 71.316,43.384 71.316,26.29 71.416,26.19 71.416,24.284 74.005,21.695 74.005,20.595 75.7,18.9 76.673,18.9 76.747,18.826 77.683,18.826 77.757,18.9 78.431,18.9 78.637,18.694 78.637,17.8 79.021,17.416 J41.24@79.755,17.416
LVDS2_8_P: J41.23 J44.L16 | length 120
  TopLayer w0.127: J44.L16@5.295,59.071 5.454,58.911 7.723,58.911 8.84,57.794 8.84,57.3 8.84,56.855 9.236,56.855 9.236,55.966 8.84,55.966 8.84,55.077 8.84,54.4 8.84,53.37 9.272,52.939 9.272,45.721 9.551,45.442 9.651,45.342
  TopLayer w0.152: 9.651,45.342 9.651,44.749 11.2,43.2 33.9,43.2 40.805,50.105 49.005,50.105 49.461,50.561 v1(49.939,50.561)
  BottomLayer w0.152: v1(49.939,50.561) 49.921,50.544 49.921,49.603 49.924,49.6 49.924,49.074 52.603,46.395 68.696,46.395 68.787,46.486 69.723,46.486 70.385,45.824 70.385,45.649 71.134,44.9 71.134,43.634 71.1,43.6 71.011,43.511 71.011,26.164 71.111,26.064 71.111,24.158 73.7,21.569 73.7,20.469 75.184,18.984 75.521,18.648 75.557,18.648 75.584,18.621 76.557,18.621 76.631,18.546 77.799,18.546 77.873,18.621 78.279,18.621 78.332,18.568 78.332,17.8 77.949,17.416 J41.23@77.215,17.416
LVDS3_1_N: J42.3 J44.L54 | length 187.6
  TopLayer w0.127: J44.L54@2.945,61.871 3.63,61.871 3.724,61.965 4.465,61.965 4.56,61.871 4.789,61.871 5.029,61.63 5.698,61.63 6.179,62.111 8.111,62.111 9.272,63.272 9.272,75.135 9.526,75.389 9.526,75.82 9.589,75.884 9.583,75.89
  TopLayer w0.152: 9.583,75.89 9.583,78.2 10.583,79.2 13.231,79.2 17.631,83.6 89.131,83.6 90.116,84.584 90.23,84.584 90.721,85.076 v1(90.721,85.1)
  BottomLayer w0.152: J42.3@87.715,42.816 88.116,42.816 89.119,43.819 91.15,43.819 91.527,44.196 91.527,44.307 91.705,44.485 91.705,46.217 89.936,47.986 89.309,47.986 88.779,48.516 88.779,50.884 89.195,51.3 89.716,51.3 89.979,51.564 89.979,52.175 90.005,52.2 90.005,52.614 91.004,52.614 ccw(c91.004,52.766) 91.156,52.766 91.156,54.189 ccw(c91.004,54.189) 91.004,54.341 90.005,54.341 90.005,55.511 91.247,55.511 ccw(c91.247,55.663) 91.4,55.663 91.4,57.086 ccw(c91.247,57.086) 91.247,57.238 89.611,57.238 89.611,58.356 91.247,58.356 ccw(c91.247,58.508) 91.4,58.508 91.4,59.93 ccw(c91.247,59.93) 91.247,60.083 89.611,60.083 89.611,61.2 91.247,61.2 ccw(c91.247,61.353) 91.4,61.353 91.4,62.775 ccw(c91.247,62.775) 91.247,62.928 89.611,62.928 89.611,64.045 91.247,64.045 ccw(c91.247,64.198) 91.4,64.198 91.4,65.62 ccw(c91.247,65.62) 91.247,65.772 89.611,65.772 89.611,66.89 91.247,66.89 ccw(c91.247,67.042) 91.4,67.042 91.4,68.465 ccw(c91.247,68.465) 91.247,68.617 89.611,68.617 89.611,69.735 91.247,69.735 ccw(c91.247,69.887) 91.4,69.887 91.4,71.31 ccw(c91.247,71.31) 91.247,71.462 89.611,71.462 89.611,72.58 91.247,72.58 ccw(c91.247,72.732) 91.4,72.732 91.4,74.154 ccw(c91.247,74.154) 91.247,74.307 89.611,74.307 89.611,75.424 91.247,75.424 ccw(c91.247,75.577) 91.4,75.577 91.4,76.999 ccw(c91.247,76.999) 91.247,77.152 90.733,77.152 90.548,77.337 90.548,79.111 ccw(c90.395,79.111) 90.395,79.264 89.611,79.264 89.611,80.381 91.247,80.381 ccw(c91.247,80.534) 91.4,80.534 91.4,81.956 ccw(c91.247,81.956) 91.247,82.108 89.611,82.108 89.611,83.226 90.395,83.226 ccw(c90.395,83.378) 90.548,83.378 90.548,84.926 v1(90.721,85.1)
LVDS3_1_P: J42.2 J44.L20 | length 187.7
  TopLayer w0.127: J44.L20@5.295,62.271 5.98,62.271 6.074,62.365 7.2,62.365 7.212,62.378 7.212,63.212 7.215,63.215 7.515,63.215 7.515,62.485 7.6,62.4 7.9,62.4 7.9,63.8 8.389,63.8 8.389,63.03 8.581,63.03 8.6,63.011 9.018,63.429 9.018,75.24 9.272,75.494 9.272,75.82 9.278,75.827
  TopLayer w0.152: 9.278,75.827 9.278,78.326 10.456,79.505 13.105,79.505 17.405,83.805 17.505,83.905 89.005,83.905 90.069,84.969 v1(90.069,85.1)
  BottomLayer w0.152: v1(90.069,85.1) 90.243,84.926 90.243,83.531 89.459,83.531 ccw(c89.459,83.378) 89.306,83.378 89.306,81.956 ccw(c89.459,81.956) 89.459,81.804 91.095,81.804 91.095,80.686 89.459,80.686 ccw(c89.459,80.534) 89.306,80.534 89.306,79.111 ccw(c89.459,79.111) 89.459,78.959 90.243,78.959 90.243,77.247 90.642,76.847 91.095,76.847 91.095,75.729 89.459,75.729 ccw(c89.459,75.577) 89.306,75.577 89.306,74.154 ccw(c89.459,74.154) 89.459,74.002 91.095,74.002 91.095,72.884 89.459,72.884 ccw(c89.459,72.732) 89.306,72.732 89.306,71.31 ccw(c89.459,71.31) 89.459,71.157 91.095,71.157 91.095,70.04 89.459,70.04 ccw(c89.459,69.887) 89.306,69.887 89.306,68.465 ccw(c89.459,68.465) 89.459,68.312 91.095,68.312 91.095,67.195 89.459,67.195 ccw(c89.459,67.042) 89.306,67.042 89.306,65.62 ccw(c89.459,65.62) 89.459,65.468 91.095,65.468 91.095,64.35 89.459,64.35 ccw(c89.459,64.198) 89.306,64.198 89.306,62.775 ccw(c89.459,62.775) 89.459,62.623 91.095,62.623 91.095,61.505 89.459,61.505 ccw(c89.459,61.353) 89.306,61.353 89.306,59.93 ccw(c89.459,59.93) 89.459,59.778 91.095,59.778 91.095,58.66 89.459,58.66 ccw(c89.459,58.508) 89.306,58.508 89.306,57.086 ccw(c89.459,57.086) 89.459,56.933 91.095,56.933 91.095,55.816 89.852,55.816 ccw(c89.852,55.663) 89.7,55.663 89.7,54.189 ccw(c89.852,54.189) 89.852,54.036 90.852,54.036 90.852,52.919 89.852,52.919 ccw(c89.852,52.766) 89.7,52.766 89.7,51.68 89.6,51.579 89.079,51.579 88.5,51 88.5,48.4 89.193,47.707 89.795,47.707 90.5,47.001 90.5,46.991 91.4,46.091 91.4,44.611 91.094,44.305 91.074,44.305 90.98,44.211 89.111,44.211 89.111,44.489 89.978,45.356 J42.2@90.255,45.356 J42.2@90.255,44.666
LVDS3_2_N: J42.6 J44.L53 | length 187.7
  TopLayer w0.152: v1@81.059,47.041 83.695,44.405 83.695,39.774 84.574,38.895 88.874,38.895 J42.6@90.255,40.276
  BottomLayer w0.127: J44.L53@4.095,61.071 4.335,61.311 5.56,61.311 6.041,60.83 6.71,60.83 7.028,61.148 10.651,61.148 10.655,61.144 11.896,61.144 12.41,60.63 13.128,60.63 13.61,61.111 14.278,61.111 14.76,60.63 15.29,60.63 15.804,61.144 16.003,61.144 16.028,61.119
  BottomLayer w0.152: 16.028,61.119 18.557,61.119 ccw(c18.557,61.271) 18.71,61.271 18.71,62.007 19.319,62.007 19.319,60.784 ccw(c19.472,60.784) 19.472,60.631 20.386,60.631 ccw(c20.386,60.784) 20.538,60.784 20.538,62.007 21.148,62.007 21.148,60.784 ccw(c21.3,60.784) 21.3,60.631 22.215,60.631 ccw(c22.215,60.784) 22.367,60.784 22.367,62.007 22.977,62.007 22.977,60.784 ccw(c23.129,60.784) 23.129,60.631 24.044,60.631 ccw(c24.044,60.784) 24.196,60.784 24.196,62.007 24.806,62.007 24.806,60.784 ccw(c24.958,60.784) 24.958,60.631 25.872,60.631 ccw(c25.872,60.784) 26.025,60.784 26.025,62.007 26.634,62.007 26.634,60.784 ccw(c26.787,60.784) 26.787,60.631 27.701,60.631 ccw(c27.701,60.784) 27.854,60.784 27.854,62.007 28.463,62.007 28.463,60.784 ccw(c28.616,60.784) 28.616,60.631 29.53,60.631 ccw(c29.53,60.784) 29.682,60.784 29.682,62.007 30.292,62.007 30.292,60.784 ccw(c30.444,60.784) 30.444,60.631 31.359,60.631 ccw(c31.359,60.784) 31.511,60.784 31.511,62.007 32.121,62.007 32.121,60.784 ccw(c32.273,60.784) 32.273,60.631 33.188,60.631 ccw(c33.188,60.784) 33.34,60.784 33.34,62.007 33.95,62.007 33.95,60.784 ccw(c34.102,60.784) 34.102,60.631 35.016,60.631 ccw(c35.016,60.784) 35.169,60.784 35.169,62.007 35.778,62.007 35.778,60.784 ccw(c35.931,60.784) 35.931,60.631 36.845,60.631 ccw(c36.845,60.784) 36.998,60.784 36.998,62.007 37.607,62.007 37.607,60.784 ccw(c37.76,60.784) 37.76,60.631 38.674,60.631 ccw(c38.674,60.784) 38.826,60.784 38.826,62.007 39.436,62.007 39.436,60.784 ccw(c39.588,60.784) 39.588,60.631 40.503,60.631 ccw(c40.503,60.784) 40.655,60.784 40.655,62.007 41.265,62.007 41.265,60.784 ccw(c41.417,60.784) 41.417,60.631 42.332,60.631 ccw(c42.332,60.784) 42.484,60.784 42.484,62.007 43.094,62.007 43.094,60.784 ccw(c43.246,60.784) 43.246,60.631 44.16,60.631 ccw(c44.16,60.784) 44.313,60.784 44.313,62.007 44.922,62.007 44.922,60.784 ccw(c45.075,60.784) 45.075,60.631 45.989,60.631 ccw(c45.989,60.784) 46.142,60.784 46.142,62.007 46.751,62.007 46.751,60.784 ccw(c46.904,60.784) 46.904,60.631 47.818,60.631 ccw(c47.818,60.784) 47.97,60.784 47.97,62.007 48.58,62.007 48.58,60.784 ccw(c48.732,60.784) 48.732,60.631 49.647,60.631 ccw(c49.647,60.784) 49.799,60.784 49.799,62.007 50.409,62.007 50.409,60.784 ccw(c50.561,60.784) 50.561,60.631 51.476,60.631 ccw(c51.476,60.784) 51.628,60.784 51.628,62.007 52.238,62.007 52.238,60.784 ccw(c52.39,60.784) 52.39,60.631 53.304,60.631 ccw(c53.304,60.784) 53.457,60.784 53.457,62.007 54.066,62.007 54.066,60.784 ccw(c54.219,60.784) 54.219,60.631 55.133,60.631 ccw(c55.133,60.784) 55.286,60.784 55.286,62.007 55.895,62.007 55.895,60.784 ccw(c56.048,60.784) 56.048,60.631 56.962,60.631 ccw(c56.962,60.784) 57.114,60.784 57.114,62.007 57.724,62.007 57.724,60.784 ccw(c57.876,60.784) 57.876,60.631 58.791,60.631 ccw(c58.791,60.784) 58.943,60.784 58.943,62.007 59.553,62.007 59.553,60.784 ccw(c59.705,60.784) 59.705,60.631 60.62,60.631 ccw(c60.62,60.784) 60.772,60.784 60.772,62.007 61.382,62.007 61.382,60.784 ccw(c61.534,60.784) 61.534,60.631 62.448,60.631 ccw(c62.448,60.784) 62.601,60.784 62.601,62.007 63.21,62.007 63.21,60.784 ccw(c63.363,60.784) 63.363,60.631 64.277,60.631 ccw(c64.277,60.784) 64.43,60.784 64.43,62.007 65.039,62.007 65.039,60.784 ccw(c65.192,60.784) 65.192,60.631 66.106,60.631 ccw(c66.106,60.784) 66.258,60.784 66.258,62.007 66.868,62.007 66.868,60.784 ccw(c67.02,60.784) 67.02,60.631 67.935,60.631 ccw(c67.935,60.784) 68.087,60.784 68.087,62.007 68.697,62.007 68.697,60.784 ccw(c68.849,60.784) 68.849,60.631 69.764,60.631 ccw(c69.764,60.784) 69.916,60.784 69.916,62.007 70.526,62.007 70.526,60.784 ccw(c70.678,60.784) 70.678,60.631 71.592,60.631 ccw(c71.592,60.784) 71.745,60.784 71.745,62.007 72.354,62.007 72.354,60.784 ccw(c72.507,60.784) 72.507,60.631 73.421,60.631 ccw(c73.421,60.784) 73.574,60.784 73.574,61.119 75.063,61.119 76.123,60.059 ccw(c76.231,60.166) 76.339,60.059 ; 76.339,60.059 77.174,60.893 77.605,60.462 76.022,58.88 ccw(c76.13,58.772) 76.022,58.664 76.669,58.018 ccw(c76.776,58.125) 76.885,58.018 77.524,58.658 80.3,55.882 80.3,48.07 81,47.37 v1(81,47.1)
LVDS3_2_P: J42.5 J44.L19 | length 186.9
  TopLayer w0.152: v1(81.502,47.569) 81.502,47.029 84,44.531 84,39.9 84.7,39.2 88.6,39.2 88.6,39.7 88.024,40.276 J42.5@87.715,40.276
  BottomLayer w0.127: J44.L19@6.445,61.471 6.514,61.402 7.2,61.402 7.454,61.402 7.454,61.736 7.962,61.736 7.962,61.402 8.47,61.402 8.47,61.736 8.978,61.736 8.978,61.402 9.486,61.402 9.486,61.736 9.994,61.736 9.994,61.402 10.485,61.402 10.757,61.402 10.761,61.398 11.896,61.398 12.41,61.911 13.129,61.911 13.61,61.43 14.278,61.43 14.76,61.911 15.29,61.911 15.804,61.398 16.003,61.398 16.028,61.423
  BottomLayer w0.152: 16.028,61.423 18.405,61.423 18.405,62.16 cw(c18.557,62.16) 18.557,62.312 19.472,62.312 cw(c19.472,62.16) 19.624,62.16 19.624,60.936 20.234,60.936 20.234,62.16 cw(c20.386,62.16) 20.386,62.312 21.3,62.312 cw(c21.3,62.16) 21.453,62.16 21.453,60.936 22.062,60.936 22.062,62.16 cw(c22.215,62.16) 22.215,62.312 23.129,62.312 cw(c23.129,62.16) 23.282,62.16 23.282,60.936 23.891,60.936 23.891,62.16 cw(c24.044,62.16) 24.044,62.312 24.958,62.312 cw(c24.958,62.16) 25.11,62.16 25.11,60.936 25.72,60.936 25.72,62.16 cw(c25.872,62.16) 25.872,62.312 26.787,62.312 cw(c26.787,62.16) 26.939,62.16 26.939,60.936 27.549,60.936 27.549,62.16 cw(c27.701,62.16) 27.701,62.312 28.616,62.312 cw(c28.616,62.16) 28.768,62.16 28.768,60.936 29.378,60.936 29.378,62.16 cw(c29.53,62.16) 29.53,62.312 30.444,62.312 cw(c30.444,62.16) 30.597,62.16 30.597,60.936 31.206,60.936 31.206,62.16 cw(c31.359,62.16) 31.359,62.312 32.273,62.312 cw(c32.273,62.16) 32.426,62.16 32.426,60.936 33.035,60.936 33.035,62.16 cw(c33.188,62.16) 33.188,62.312 34.102,62.312 cw(c34.102,62.16) 34.254,62.16 34.254,60.936 34.864,60.936 34.864,62.16 cw(c35.016,62.16) 35.016,62.312 35.931,62.312 cw(c35.931,62.16) 36.083,62.16 36.083,60.936 36.693,60.936 36.693,62.16 cw(c36.845,62.16) 36.845,62.312 37.76,62.312 cw(c37.76,62.16) 37.912,62.16 37.912,60.936 38.522,60.936 38.522,62.16 cw(c38.674,62.16) 38.674,62.312 39.588,62.312 cw(c39.588,62.16) 39.741,62.16 39.741,60.936 40.35,60.936 40.35,62.16 cw(c40.503,62.16) 40.503,62.312 41.417,62.312 cw(c41.417,62.16) 41.57,62.16 41.57,60.936 42.179,60.936 42.179,62.16 cw(c42.332,62.16) 42.332,62.312 43.246,62.312 cw(c43.246,62.16) 43.398,62.16 43.398,60.936 44.008,60.936 44.008,62.16 cw(c44.16,62.16) 44.16,62.312 45.075,62.312 cw(c45.075,62.16) 45.227,62.16 45.227,60.936 45.837,60.936 45.837,62.16 cw(c45.989,62.16) 45.989,62.312 46.904,62.312 cw(c46.904,62.16) 47.056,62.16 47.056,60.936 47.666,60.936 47.666,62.16 cw(c47.818,62.16) 47.818,62.312 48.732,62.312 cw(c48.732,62.16) 48.885,62.16 48.885,60.936 49.494,60.936 49.494,62.16 cw(c49.647,62.16) 49.647,62.312 50.561,62.312 cw(c50.561,62.16) 50.714,62.16 50.714,60.936 51.323,60.936 51.323,62.16 cw(c51.476,62.16) 51.476,62.312 52.39,62.312 cw(c52.39,62.16) 52.542,62.16 52.542,60.936 53.152,60.936 53.152,62.16 cw(c53.304,62.16) 53.304,62.312 54.219,62.312 cw(c54.219,62.16) 54.371,62.16 54.371,60.936 54.981,60.936 54.981,62.16 cw(c55.133,62.16) 55.133,62.312 56.048,62.312 cw(c56.048,62.16) 56.2,62.16 56.2,60.936 56.81,60.936 56.81,62.16 cw(c56.962,62.16) 56.962,62.312 57.876,62.312 cw(c57.876,62.16) 58.029,62.16 58.029,60.936 58.638,60.936 58.638,62.16 cw(c58.791,62.16) 58.791,62.312 59.705,62.312 cw(c59.705,62.16) 59.858,62.16 59.858,60.936 60.467,60.936 60.467,62.16 cw(c60.62,62.16) 60.62,62.312 61.534,62.312 cw(c61.534,62.16) 61.686,62.16 61.686,60.936 62.296,60.936 62.296,62.16 cw(c62.448,62.16) 62.448,62.312 63.363,62.312 cw(c63.363,62.16) 63.515,62.16 63.515,60.936 64.125,60.936 64.125,62.16 cw(c64.277,62.16) 64.277,62.312 65.192,62.312 cw(c65.192,62.16) 65.344,62.16 65.344,60.936 65.954,60.936 65.954,62.16 cw(c66.106,62.16) 66.106,62.312 67.02,62.312 cw(c67.02,62.16) 67.173,62.16 67.173,60.936 67.782,60.936 67.782,62.16 cw(c67.935,62.16) 67.935,62.312 68.849,62.312 cw(c68.849,62.16) 69.002,62.16 69.002,60.936 69.611,60.936 69.611,62.16 cw(c69.764,62.16) 69.764,62.312 70.678,62.312 cw(c70.678,62.16) 70.83,62.16 70.83,60.936 71.44,60.936 71.44,62.16 cw(c71.592,62.16) 71.592,62.312 72.507,62.312 cw(c72.507,62.16) 72.659,62.16 72.659,60.936 73.269,60.936 73.269,61.271 cw(c73.421,61.271) 73.421,61.423 75.189,61.423 76.231,60.382 77.066,61.217 cw(c77.174,61.109) 77.282,61.216 77.928,60.57 ; 77.632,58.98 ccw(c77.524,58.873) 77.416,58.981 76.776,58.341 76.345,58.772 77.928,60.355 ccw(c77.82,60.462) 77.973,60.462 ccw(c77.82,60.462) 77.928,60.571 ; 77.632,58.981 80.605,56.008 80.605,48.196 81.232,47.569 v1(81.502,47.569)
  BottomLayer w0.254: J42.5@87.715,40.276 J42.5@88.024,40.276
LVDS3_3_N: J42.9 J44.L61 | length 189.3
  BottomLayer w0.127: J44.L61@4.095,67.471 4.335,67.711 5.56,67.711 6.041,67.23 6.71,67.23 6.991,67.511 11.928,67.511 12.41,67.03 13.128,67.03 13.61,67.511 14.278,67.511 14.76,67.03 15.29,67.03 15.804,67.544 16.003,67.544 16.066,67.48 16.104,67.519
  BottomLayer w0.152: 16.104,67.519 25.011,67.519 ccw(c25.011,67.671) 25.164,67.671 25.164,69.801 26.281,69.801 26.281,67.05 ccw(c26.434,67.05) 26.434,66.897 27.856,66.897 ccw(c27.856,67.05) 28.008,67.05 28.008,70.708 29.126,70.708 29.126,67.05 ccw(c29.278,67.05) 29.278,66.897 30.701,66.897 ccw(c30.701,67.05) 30.853,67.05 30.853,70.708 31.971,70.708 31.971,67.05 ccw(c32.123,67.05) 32.123,66.897 33.546,66.897 ccw(c33.546,67.05) 33.698,67.05 33.698,70.708 34.816,70.708 34.816,67.05 ccw(c34.968,67.05) 34.968,66.897 36.39,66.897 ccw(c36.39,67.05) 36.543,67.05 36.543,70.708 37.66,70.708 37.66,67.671 ccw(c37.813,67.671) 37.813,67.519 70.25,67.519 77.716,74.984 77.805,75.074 77.805,80.274 85.645,88.114 89.286,88.114 89.856,87.544 89.856,86.256 88.595,84.995 88.595,54.495 86.284,52.184 86.195,52.095 86.195,37.074 86.284,36.984 86.974,36.295 88.405,36.295 88.6,36.1 88.6,36.081 J42.9@87.715,35.196
LVDS3_3_P: J42.8 J44.L27 | length 189.4
  BottomLayer w0.127: J44.L27@6.445,67.871 6.485,67.83 7.4,67.83 7.591,67.83 7.591,68.336 7.972,68.336 7.972,67.83 8.353,67.83 8.353,68.336 8.734,68.336 8.734,67.83 8.9,67.83 11.929,67.83 12.41,68.311 13.129,68.311 13.61,67.83 14.279,67.83 14.76,68.311 15.29,68.311 15.804,67.798 16.003,67.798 16.066,67.861 16.104,67.823
  BottomLayer w0.152: 16.104,67.823 24.859,67.823 24.859,69.953 cw(c25.011,69.953) 25.011,70.106 26.434,70.106 cw(c26.434,69.953) 26.586,69.953 26.586,67.202 27.704,67.202 27.704,70.86 cw(c27.856,70.86) 27.856,71.012 29.278,71.012 cw(c29.278,70.86) 29.431,70.86 29.431,67.202 30.548,67.202 30.548,70.86 cw(c30.701,70.86) 30.701,71.012 32.123,71.012 cw(c32.123,70.86) 32.276,70.86 32.276,67.202 33.393,67.202 33.393,70.86 cw(c33.546,70.86) 33.546,71.012 34.968,71.012 cw(c34.968,70.86) 35.12,70.86 35.12,67.202 36.238,67.202 36.238,70.86 cw(c36.39,70.86) 36.39,71.012 37.813,71.012 cw(c37.813,70.86) 37.965,70.86 37.965,67.823 70.123,67.823 77.5,75.2 77.5,80.4 85.519,88.419 89.412,88.419 90.237,87.594 90.237,86.206 88.9,84.869 88.9,83.601 88.9,78.101 88.9,54.369 86.5,51.969 86.5,37.2 87.1,36.6 89.119,36.6 J42.8@90.255,37.736